# Altium PCB MCU063A_PCB.PcbDoc (part 1 of 9)
Units mil, origin at the board's own origin, x right, y up, seen from the top; angles counter-clockwise.
Board outline 4165.01 x 2371.03 mil, 10 copper layers (Top Layer, Internal Plane 2, Signal Layer 3, Signal Layer 4, Internal Plane 5, Internal Plane 6, Signal Layer 7, Signal Layer 8, Internal Plane 9, Bottom), stack 59.9 mil thick; 436 components, 392 nets, 1750 pads, 1250 vias.
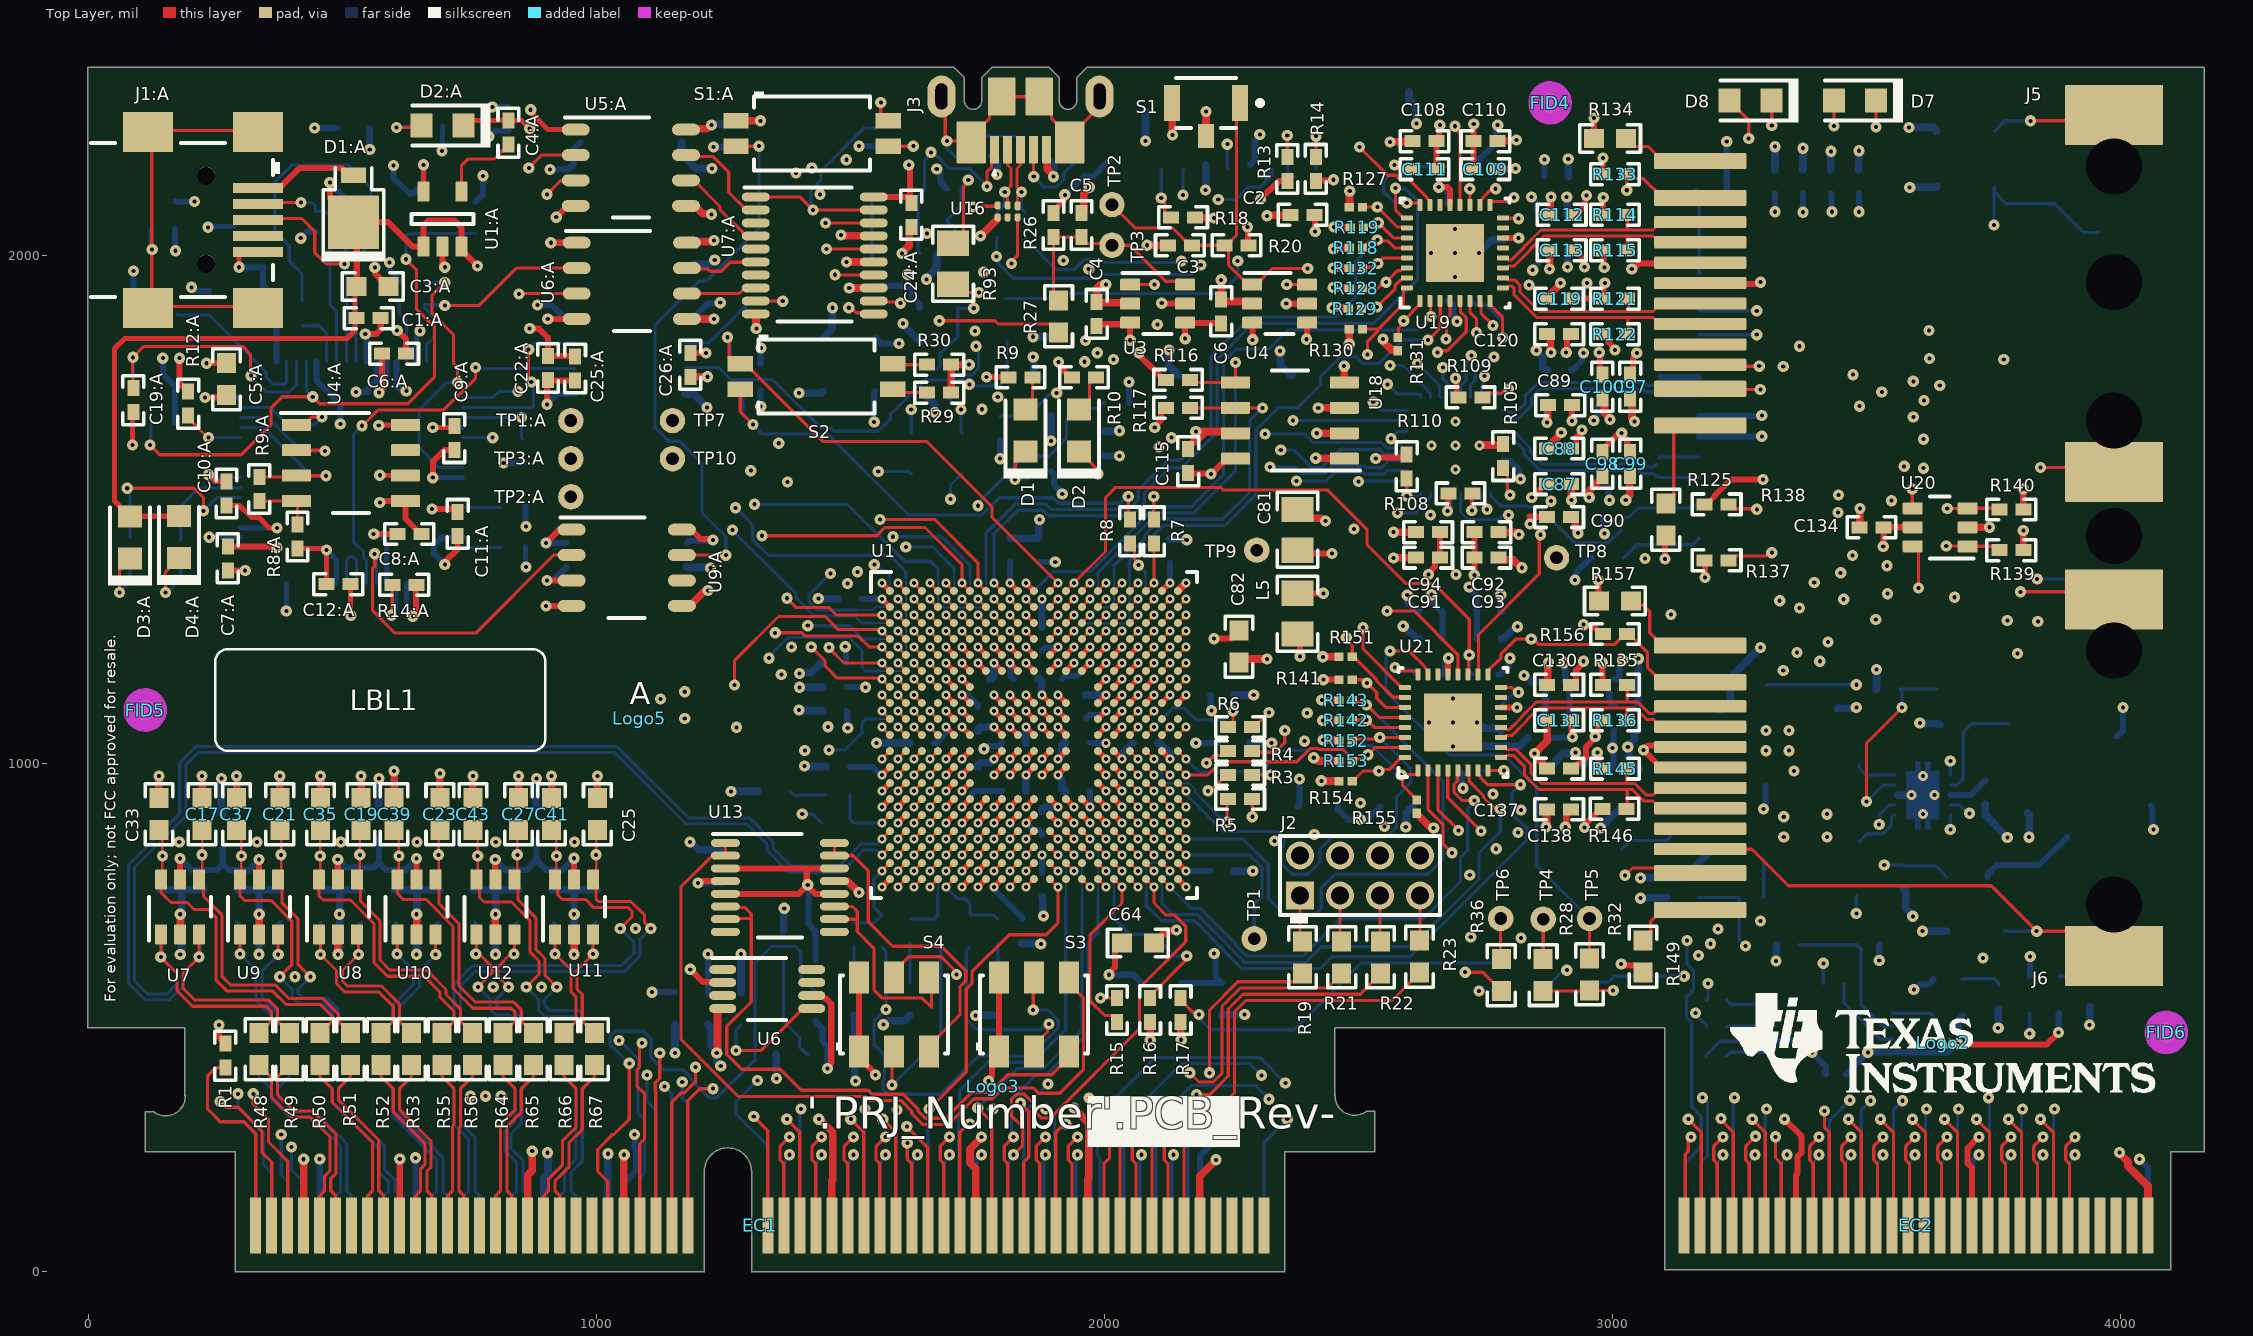
[diagram p0: Top Layer view]
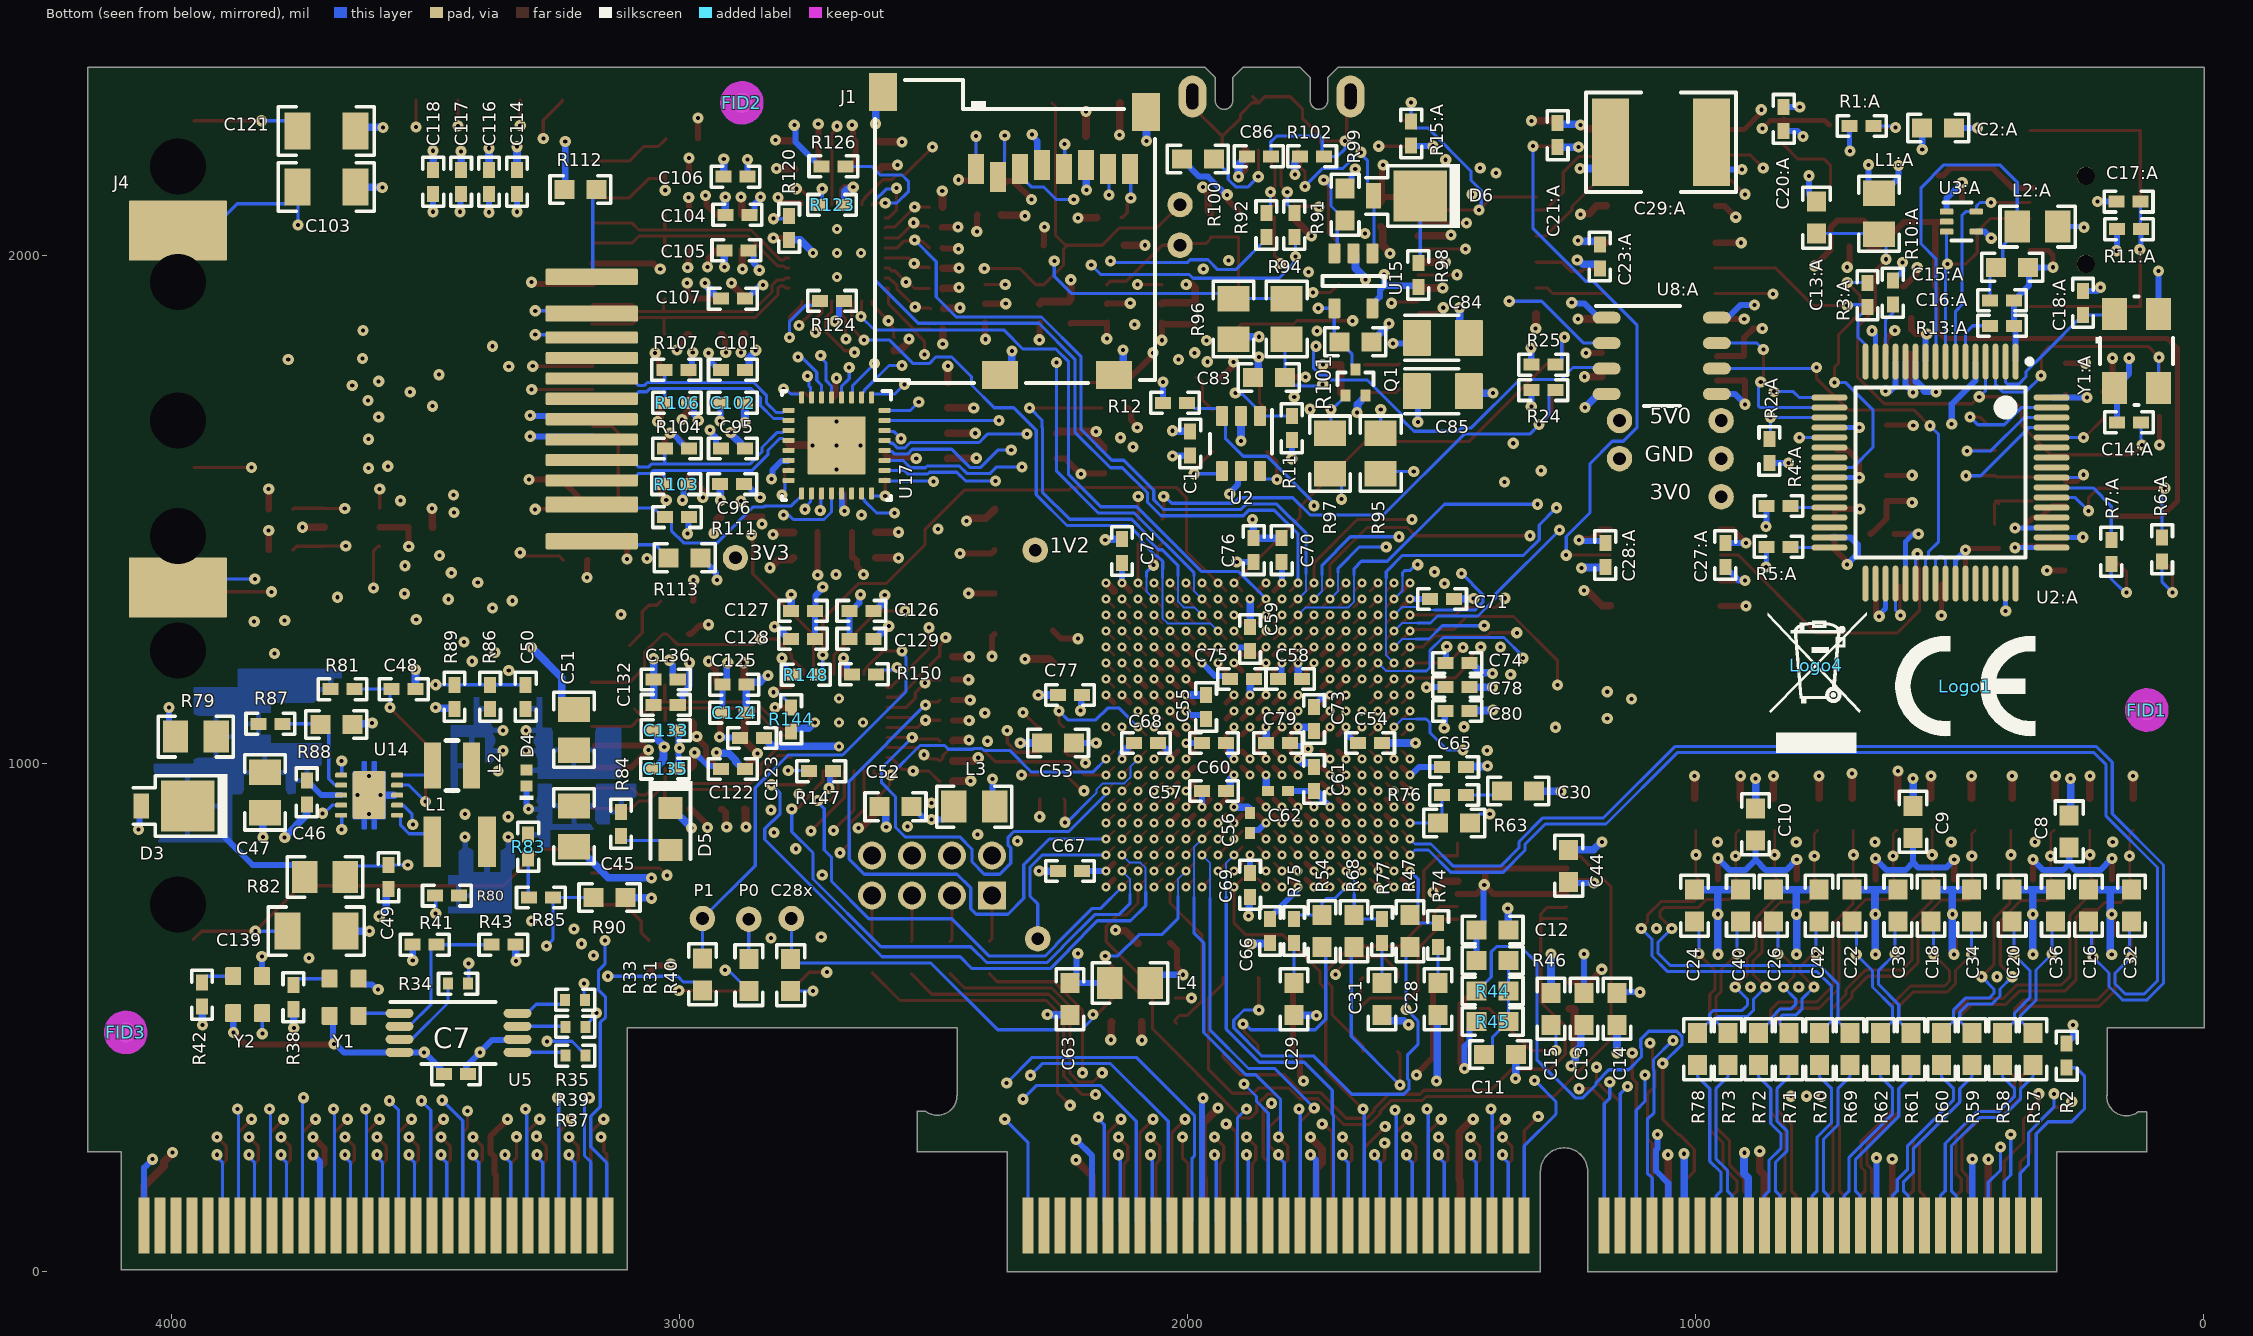
[diagram p1: Bottom view, seen from below]
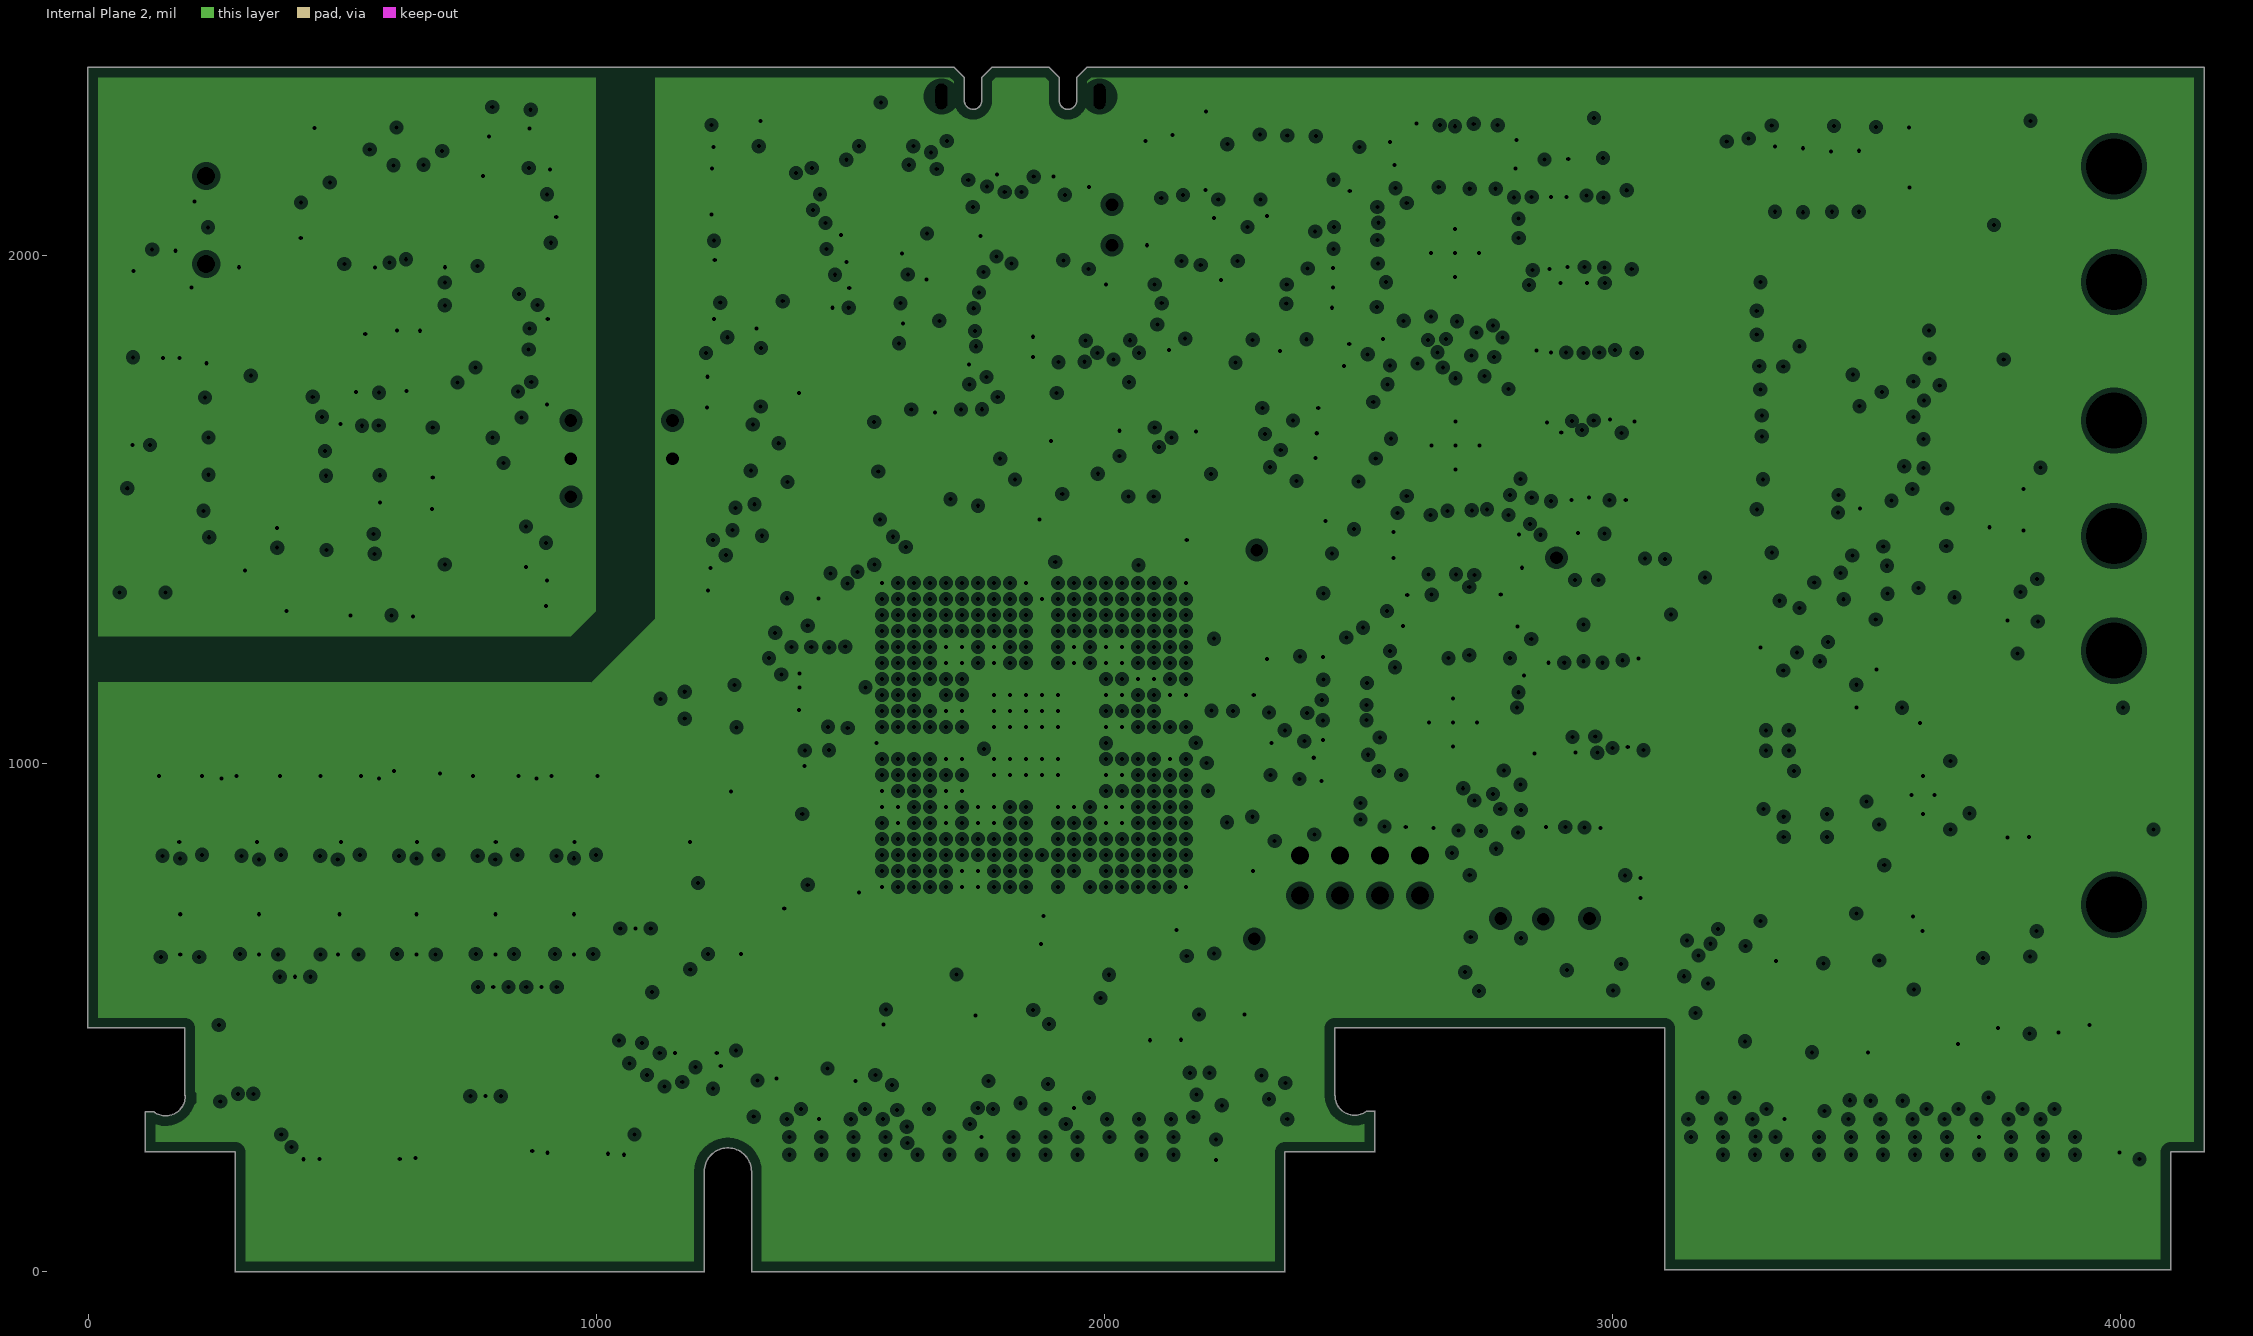
[diagram p2: Internal Plane 2, clearances drawn from the general rule]
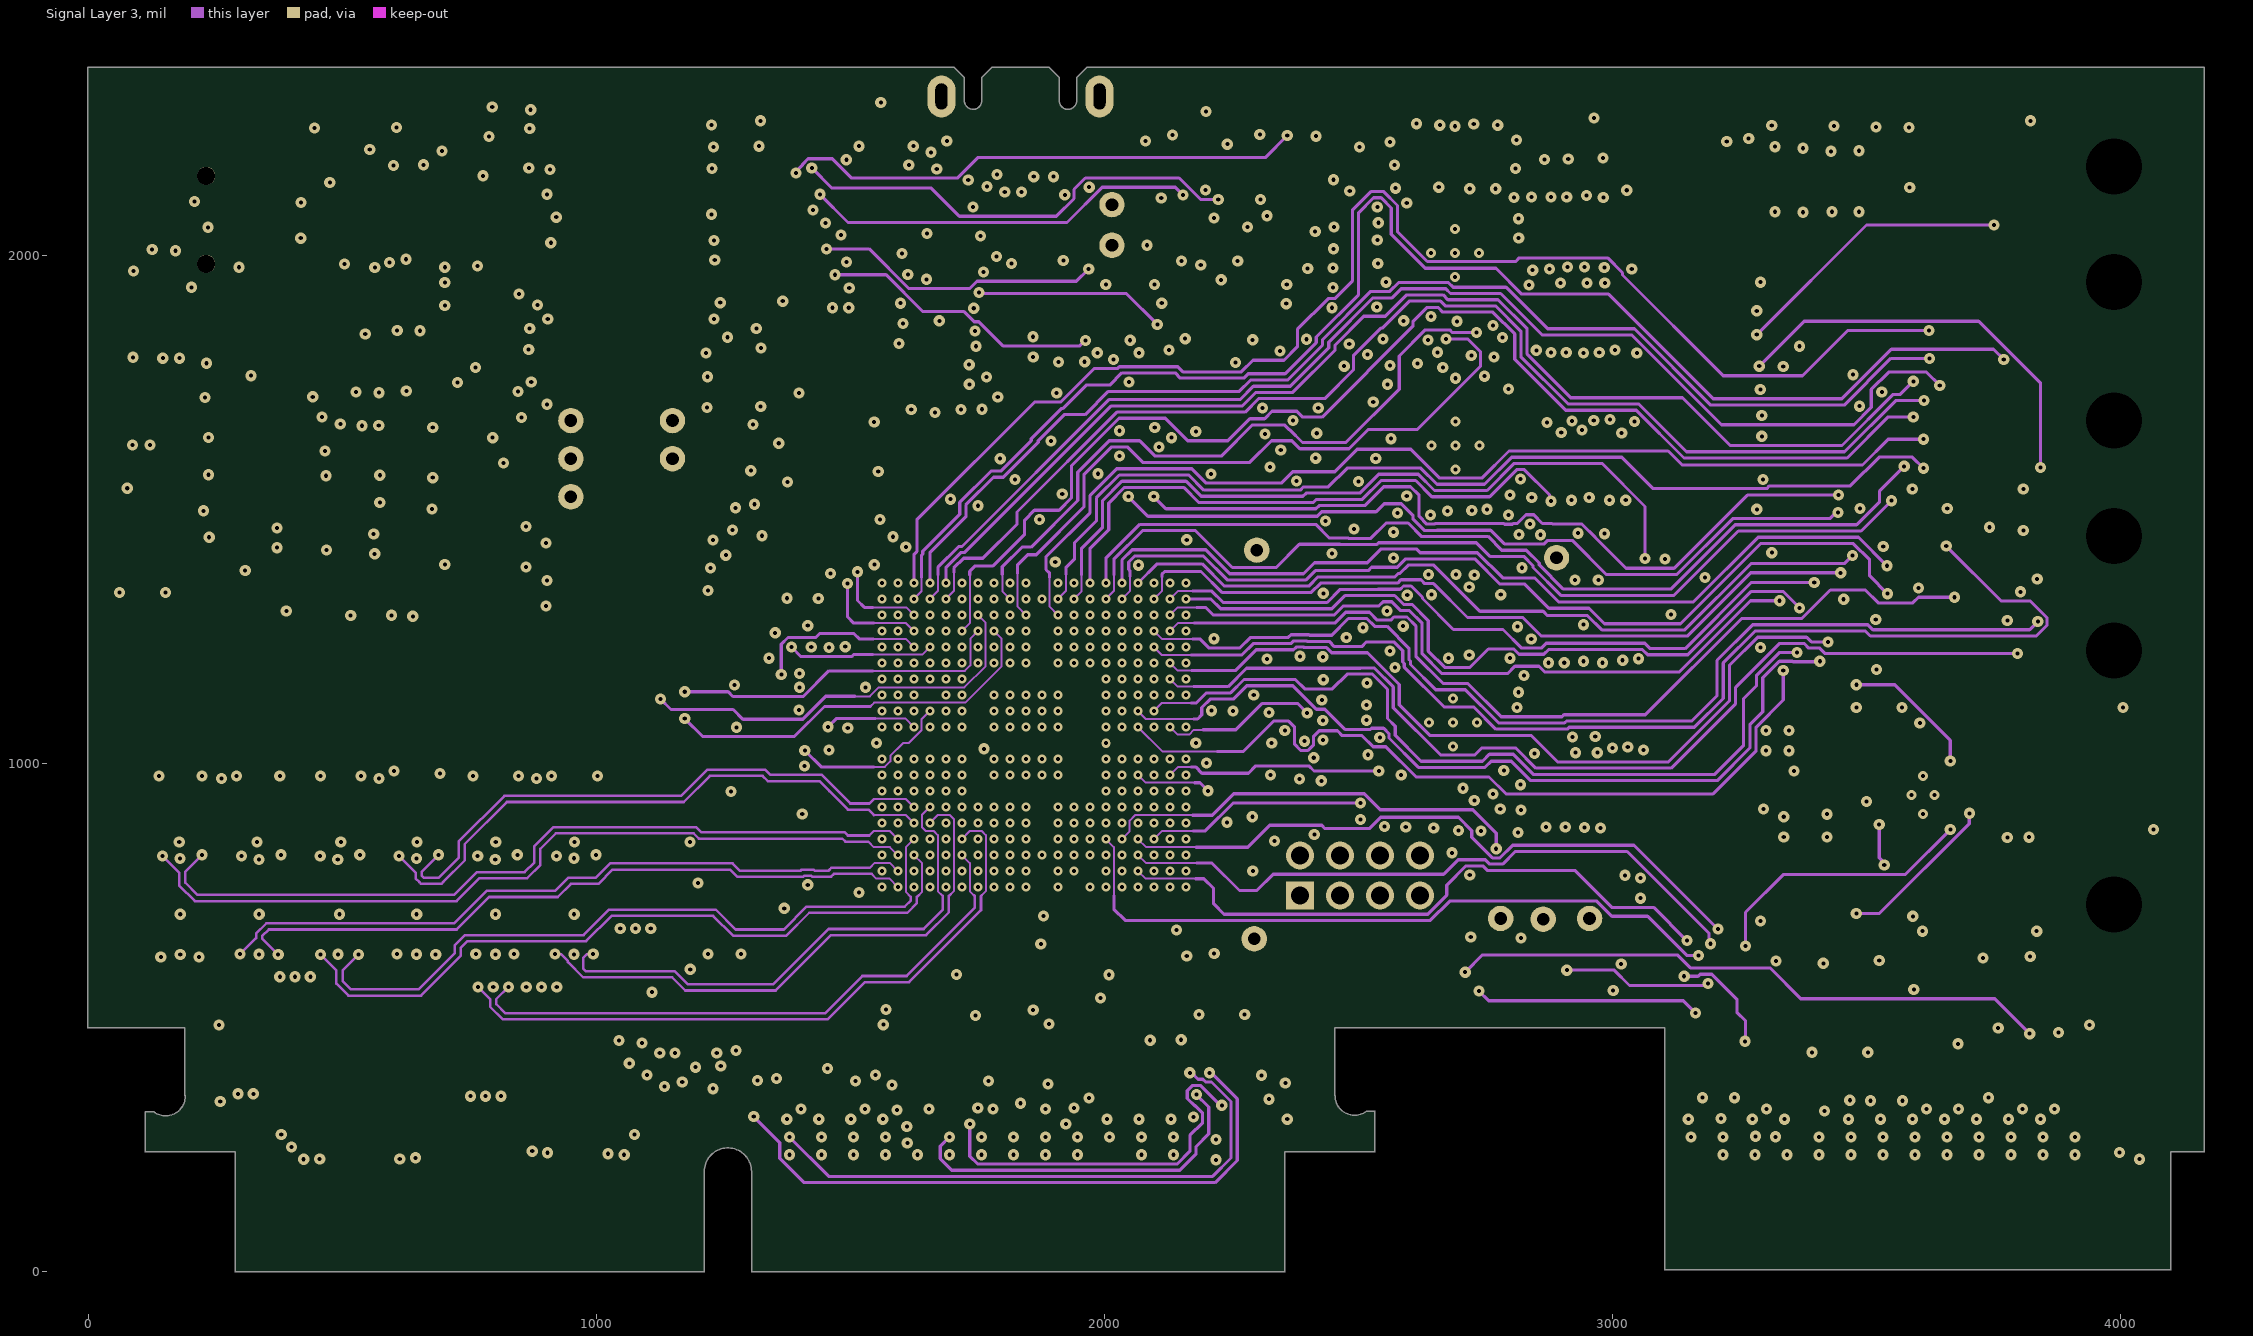
[diagram p3: Signal Layer 3]
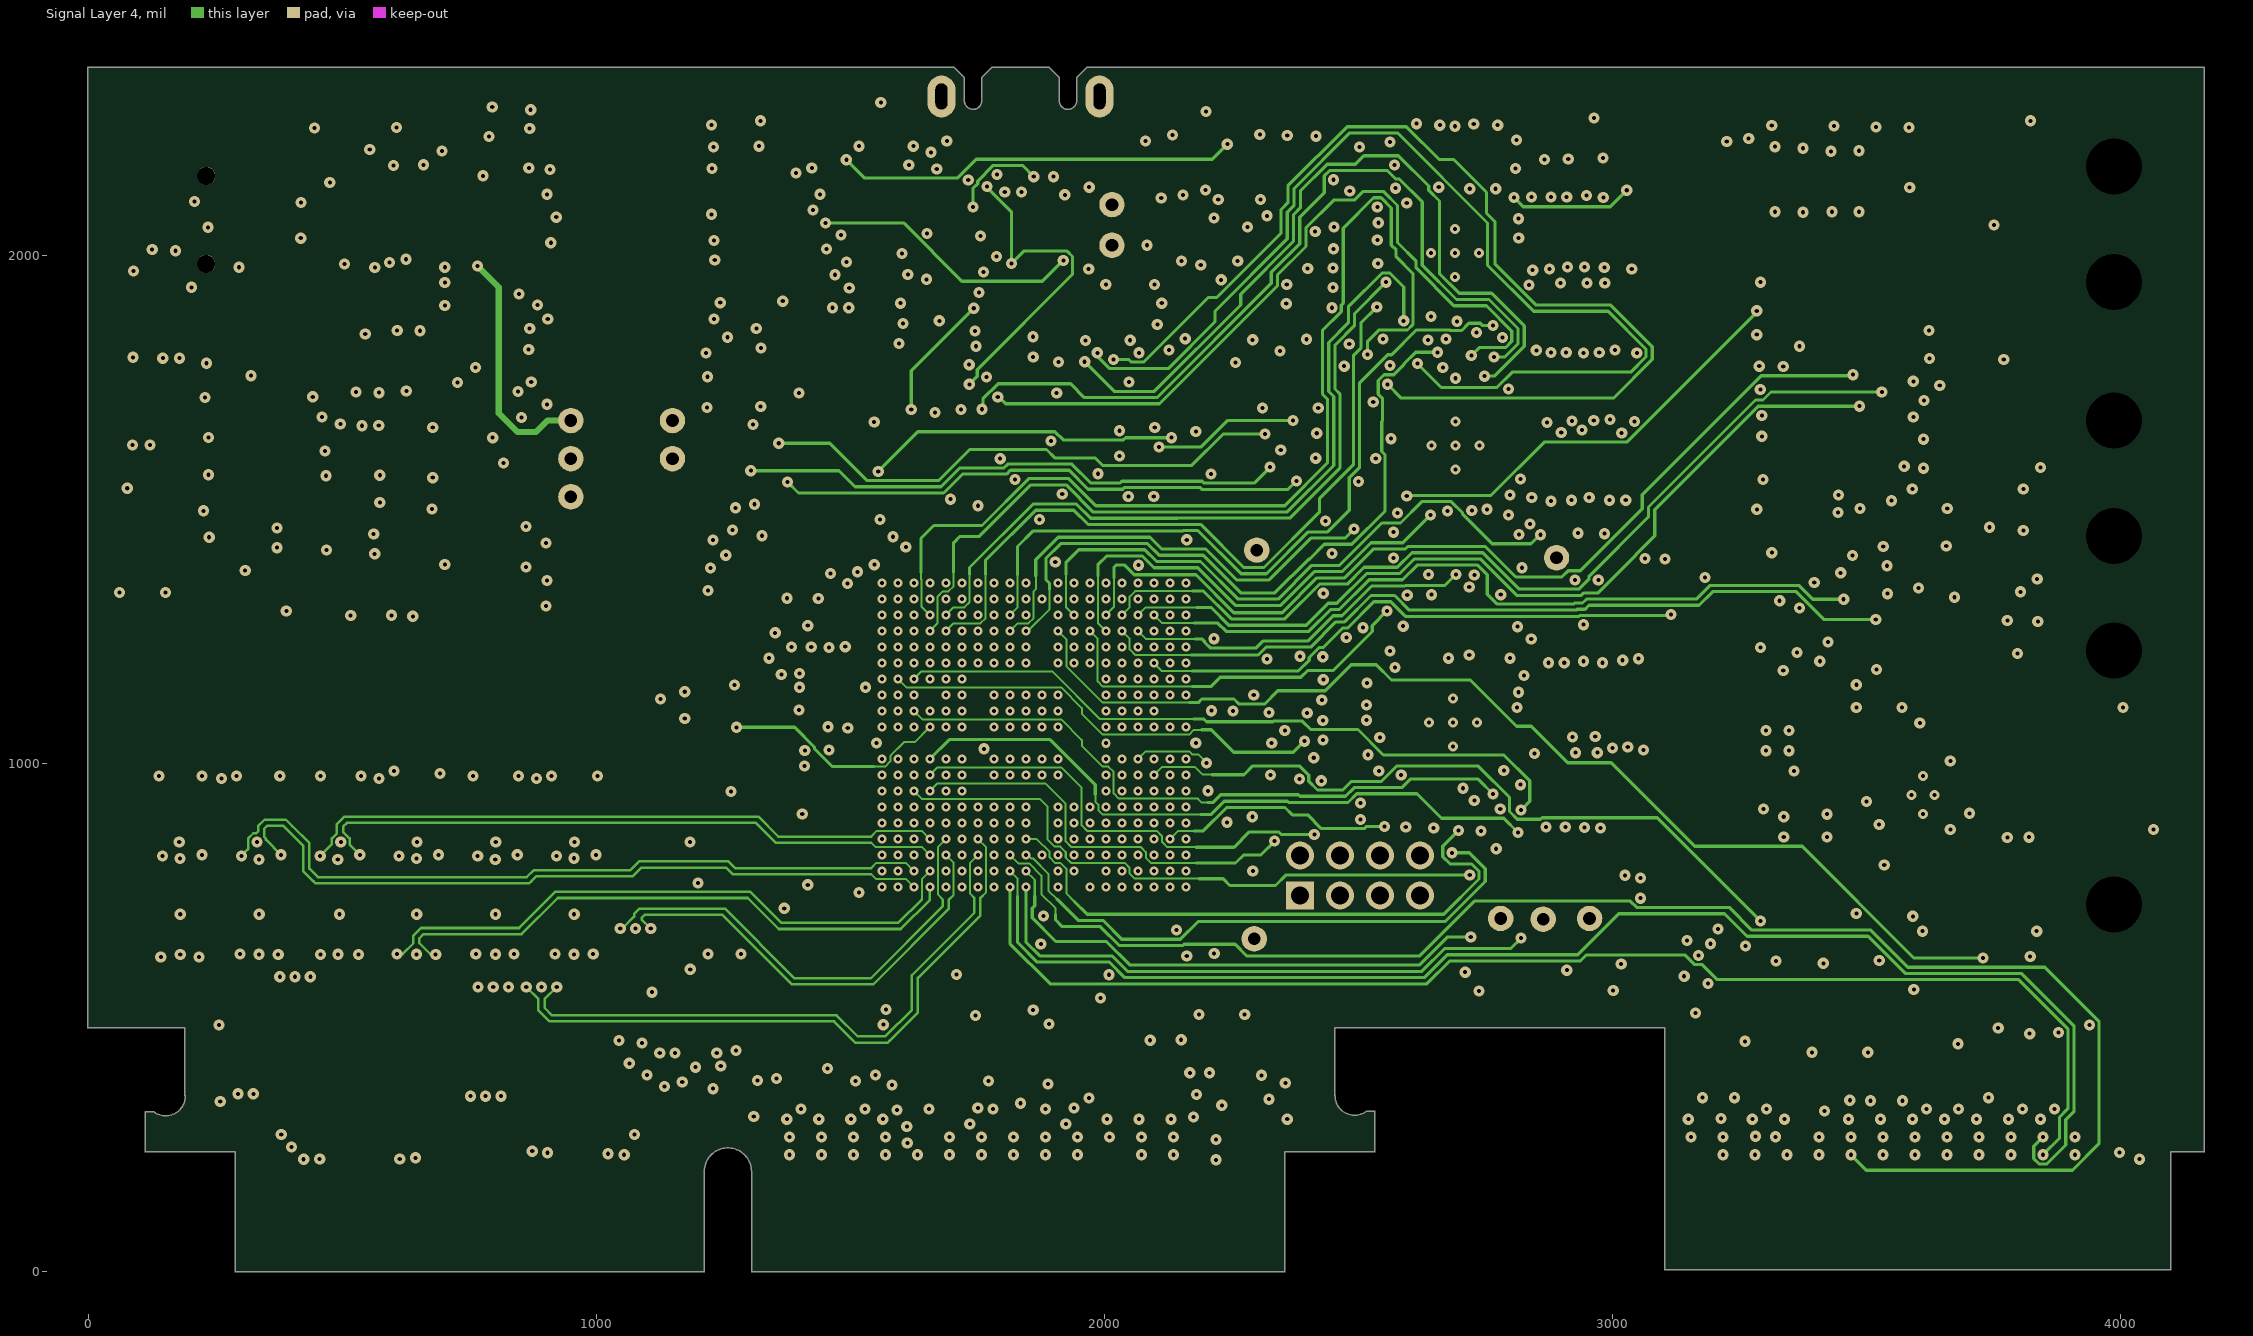
[diagram p4: Signal Layer 4]